# Altium PCB PCB.PcbDoc (continued)
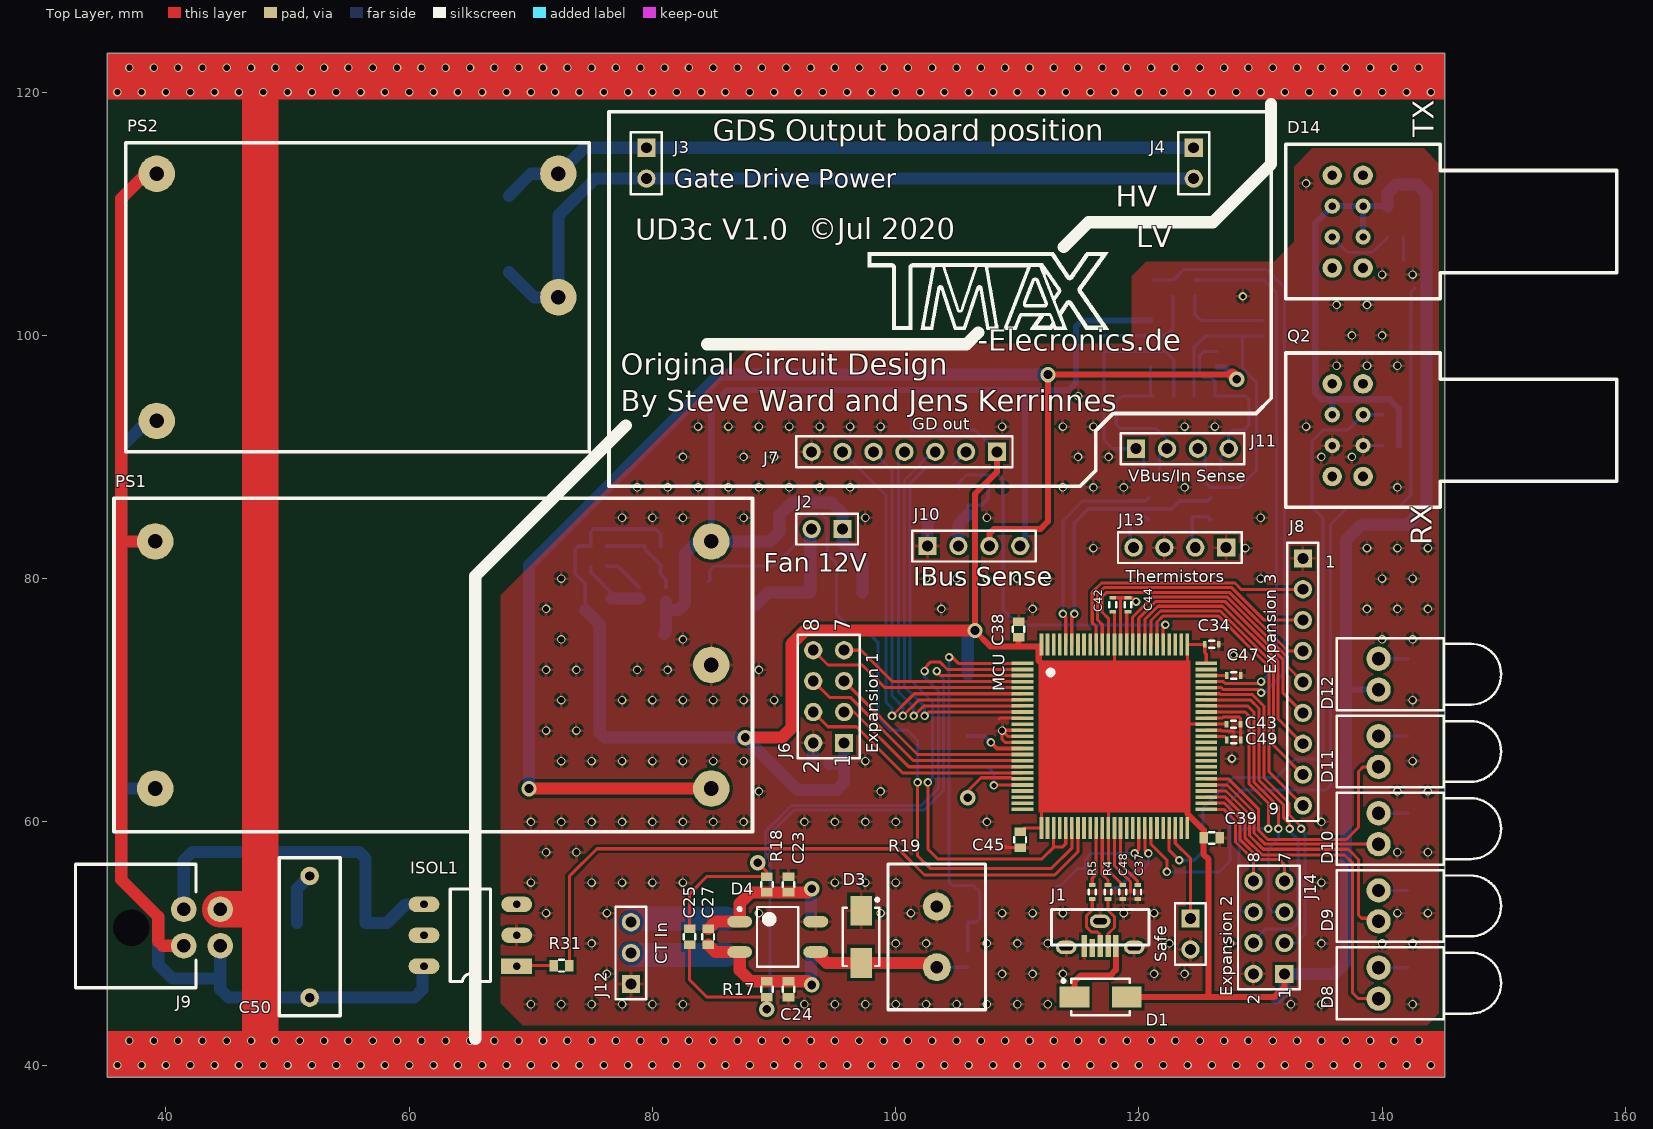
[diagram p0: Top Layer view]
## Footprints (in the part's own frame and the unit in brackets; to place one, negate y for a bottom-side part, rotate by r counter-clockwise, add the part's x,y. Pads: shape width x height; smd on the part's side, far side on the other; paste and mask are expansions set on the pad) (continued)
WM9734CT [mm] "USB 2.0 Type b micro straight mount"
  rect 0.45x1.8 smd: 1(-1.3,0.15) 2(-0.65,0.15) 3(0,0.15) 5(1.3,0.15)
  rect 0.45x1.5 smd: 4(0.65,0.3)
  oval 1.7x1.1 hole 0.5 slot 1.1 at 0 deg: 6(-2.8,0.25) 6(0,-1.9) 6(2.8,0.25)
  silkscreen extent -4,-2.85 4,0.05, body extent -4.01,-3.05 4.01,1.4, height 7.48
"Würth Film Cap 13x5" [mil]
  round 60 hole 30: 1(-196.85,0) 2(196.85,0)
  silkscreen extent -256,-98 256,98, body extent -256,-98 256,98, height 435

## Part data
C1: library part Cap, Supplier Part Number 1=1276-2044-1-ND, Supplier Part Number 10=1276-CL10B104KB8NNNLCT-ND, Supplier Part Number 11=399-1085-1-ND, Supplier Part Number 12=1276-1021-1-ND, Supplier Part Number 13=587-2985-1-ND, Supplier 1=Digi-Key, Supplier 2=Digi-Key, Supplier 3=Digi-Key, Supplier 4=Digi-Key, Supplier 5=Digi-Key, Supplier 6=Digi-Key, Supplier 7=Digi-Key, Supplier 8=Digi-Key, Supplier 9=Digi-Key, Supplier 10=Digi-Key, Supplier 11=Digi-Key, Supplier 12=Digi-Key, Supplier 13=Digi-Key, Supplier Part Number 2=1276-1018-1-ND, Supplier Part Number 3=1276-1182-1-ND, Supplier Part Number 4=1276-1009-1-ND, Supplier Part Number 5=1276-1098-1-ND, Supplier Part Number 6=1276-1119-1-ND, Supplier Part Number 7=490-12737-1-ND, Supplier Part Number 8=1276-1183-1-ND, Supplier Part Number 9=587-1249-1-ND
C2 C3 C4 C5 C6 C22 C34 C35 C36 C37 C38 C39 C40 C41 C42 C43 C44 C45 C46 C47 C48 C49 C50 C51 C52: library part Cap, Supplier Part Number 1=1276-2044-1-ND, Supplier Part Number 10=1276-CL10B104KB8NNNLCT-ND, Supplier Part Number 11=399-1085-1-ND, Supplier Part Number 12=1276-1021-1-ND, Supplier Part Number 13=587-2985-1-ND, Supplier Part Number 14=490-14603-1-ND, Supplier Part Number 15=311-3700-1-ND, Supplier Part Number 16=311-1042-1-ND, Supplier Part Number 17=311-1415-1-ND, Supplier Part Number 18=1276-1907-1-ND, Supplier Part Number 19=587-4321-1-ND, Supplier 1=Digi-Key, Supplier 2=Digi-Key, Supplier 3=Digi-Key, Supplier 4=Digi-Key, Supplier 5=Digi-Key, Supplier 6=Digi-Key, Supplier 7=Digi-Key, Supplier 8=Digi-Key, Supplier 9=Digi-Key, Supplier 10=Digi-Key, Supplier 11=Digi-Key, Supplier 12=Digi-Key, Supplier 13=Digi-Key, Supplier 14=Digi-Key, Supplier 15=Digi-Key, Supplier 16=Digi-Key, Supplier 17=Digi-Key, Supplier 18=Digi-Key, Supplier 19=Digi-Key, Supplier 20=Digi-Key, Supplier 21=Digi-Key, Supplier 22=Digi-Key, Supplier Part Number 2=1276-1018-1-ND, Supplier Part Number 3=1276-1182-1-ND, Supplier Part Number 4=1276-1009-1-ND, Supplier Part Number 5=1276-1098-1-ND, Supplier Part Number 6=1276-1119-1-ND, Supplier Part Number 7=490-12737-1-ND, Supplier Part Number 8=1276-1183-1-ND, Supplier Part Number 9=587-1249-1-ND, Supplier Part Number 20=1276-6767-1-ND, Supplier Part Number 21=1276-7060-1-ND, Supplier Part Number 22=311-1084-1-ND
C7: library part "Cap Polar", Supplier Part Number 1=478-9181-1-ND, Supplier 1=Digi-Key, Supplier 2=Digi-Key, Supplier 3=Digi-Key, Supplier 4=Digi-Key, Supplier 5=Digi-Key, Supplier 6=Digi-Key, Supplier Part Number 2=478-9173-1-ND, Supplier Part Number 3=493-11037-ND, Supplier Part Number 4=PCE3462CT-ND, Supplier Part Number 5=399-18864-1-ND, Supplier Part Number 6=399-10512-1-ND
C14 C15 C16 C17 C18 C20: "Capacitor, 10nF, MLCC, 50V, X7R, 10%, SMD"
C19 C21 C27: "Capacitor, 1nF, MLCC, 50V, X7R, 10%, SMD"
C23 C24 C25 C26: "Capacitor, 150pF, MLCC, 50V, COG, 5%, SMD"
C28 C29 C30 C31: "Capacitor, 1uF, MLCC, 16V, X7R, 10%, SMD"
C53: "Capacitor, 0.1uF, MLCC, 50V, X7R, 10%, SMD"
D1 D2: "Default Diode", Code_JEDEC=DO-214-AB, LatestRevisionDate=17-Jul-2002, LatestRevisionNote="Re-released for DXP Platform.", PackageDescription="DO-214-AB/SMC; 2 C-Bend Leads; Body 7.9 x 5.9 mm, inc. leads (LxW)", PackageReference=SMC, PackageVersion=Sep-1996, Published=8-Jun-2000, Publisher="Altium Limited"
D3: library part SMBJ170A
D4: "Full Wave Diode Bridge", DatasheetVersion=E2732B, LatestRevisionDate=29-May-2009, LatestRevisionNote="Sch pins A & K swapped.", PackageDescription="Bridge Rectifier; 4 Terminals; Body 9.4 x 9.4 mm (typ); Pitch 5.08 mm", PackageReference=D-38, Published=8-Jun-2000, Publisher="Altium Limited"
D8 D9 D10 D11 D12: library part LED, Supplier Part Number 1=732-4979-1-ND, Supplier 1=Digi-Key, Supplier 2=Digi-Key, Supplier 3=Digi-Key, Supplier 4=Digi-Key, Supplier Part Number 2=732-4971-1-ND, Supplier Part Number 3=732-4966-1-ND, Supplier Part Number 4=732-4981-1-ND
D14: "Fiber optic transmitter. ST connector", Supplier Part Number 1=516-2038-ND, Supplier 1=Digi-Key
IC1: library part TL082
ISOL1: Supplier Part Number 1=VO3023-ND, Supplier 1=Digi-Key
J2 J3 J4 Safe: library part "Header 2", "Header, 2-Pin", LatestRevisionDate=17-Jul-2002, LatestRevisionNote="Re-released for DXP Platform.", Publisher="Altium Limited"
J5: library part "Header 5", "Header, 5-Pin", LatestRevisionDate=17-Jul-2002, LatestRevisionNote="Re-released for DXP Platform.", Publisher="Altium Limited"
J6 J14: library part "Header 4X2", "Header, 4-Pin, Dual row", LatestRevisionDate=17-Jul-2002, LatestRevisionNote="Re-released for DXP Platform.", Publisher="Altium Limited"
J7: library part "Header 7", "Header, 7-Pin", LatestRevisionDate=17-Jul-2002, LatestRevisionNote="Re-released for DXP Platform.", Publisher="Altium Limited"
J8: library part "Header 9", "Header, 9-Pin", LatestRevisionDate=17-Jul-2002, LatestRevisionNote="Re-released for DXP Platform.", Publisher="Altium Limited"
J9: library part "Molex MicroFit 4 Pin", Supplier Part Number 1=WM1814-ND, Supplier 1=Digi-Key
J10 J11 J13: library part "Header 4", "Header, 4-Pin", LatestRevisionDate=17-Jul-2002, LatestRevisionNote="Re-released for DXP Platform.", Publisher="Altium Limited"
J12: library part "Header 3", "Header, 3-Pin", LatestRevisionDate=17-Jul-2002, LatestRevisionNote="Re-released for DXP Platform.", Publisher="Altium Limited"
L1: library part Inductor, Supplier Part Number 1=541-1250-1-ND, Supplier Part Number 10=SRP1770TA-5R6MCT-ND, Supplier Part Number 11=SRN6028-100MCT-ND, Supplier 1=Digi-Key, Supplier 2=Digi-Key, Supplier 3=Digi-Key, Supplier 4=Digi-Key, Supplier 5=Digi-Key, Supplier 6=Digi-Key, Supplier 7=Digi-Key, Supplier 8=Digi-Key, Supplier 9=Digi-Key, Supplier 10=Digi-Key, Supplier 11=Digi-Key, Supplier Part Number 2=541-1253-1-ND, Supplier Part Number 3=SRN6028-3R9MCT-ND, Supplier Part Number 4=SRN6028-4R7MCT-ND, Supplier Part Number 5=490-10563-1-ND, Supplier Part Number 6=1276-6932-1-ND, Supplier Part Number 7=587-2042-1-ND, Supplier Part Number 8=535-12790-1-ND, Supplier Part Number 9=SRP1265A-1R0MCT-ND
L3: library part "common mode choke"
PS1: library part "RAC20 Power supply", Supplier Part Number 1=945-3239-ND, Supplier 1=Digi-Key
PS2: library part "CFM12 power supply", Supplier Part Number 1=2034-3524-ND, Supplier 1=Digi-Key
Q1 Q3: Supplier Part Number 1=1727-5305-1-ND, Supplier 1=Digi-Key, Supplier 2=Digi-Key, Supplier 3=Digi-Key, Supplier 4=Digi-Key, Supplier 5=Digi-Key, Supplier Part Number 2=1727-1123-1-ND, Supplier Part Number 3=BSC0906NSATMA1CT-ND, Supplier Part Number 4=T2N7002AKLMCT-ND, Supplier Part Number 5=1727-4714-1-ND
Q2: library part HFBR-141X_receiver, "Fiber optic transmitter. ST connector", Supplier Part Number 1=516-2038-ND, Supplier 1=Digi-Key
R1 R2 R4 R5 R6 R7 R8 R23 R24 R25 R26 R27 R28 R29 R30 R31: library part Resistor, Supplier Part Number 1=RHM10DCT-ND, Supplier Part Number 10=311-200JRCT-ND, Supplier Part Number 11=311-300JRCT-ND, Supplier Part Number 12=YAG3356CT-ND, Supplier Part Number 13=311-220GRCT-ND, Supplier Part Number 14=311-220KGRCT-ND, Supplier Part Number 15=311-1.0KGRCT-ND, Supplier Part Number 16=311-200KHRCT-ND, Supplier Part Number 17=A102451-ND, Supplier Part Number 18=311-2.00KHRCT-ND, Supplier Part Number 19=311-10KGRCT-ND, Supplier 1=Digi-Key, Supplier 2=Digi-Key, Supplier 3=Digi-Key, Supplier 4=Digi-Key, Supplier 5=Digi-Key, Supplier 6=Digi-Key, Supplier 7=Digi-Key, Supplier 8=Digi-Key, Supplier 9=Digi-Key, Supplier 10=Digi-Key, Supplier 11=Digi-Key, Supplier 12=Digi-Key, Supplier 13=Digi-Key, Supplier 14=Digi-Key, Supplier 15=Digi-Key, Supplier 16=Digi-Key, Supplier 17=Digi-Key, Supplier 18=Digi-Key, Supplier 19=Digi-Key, Supplier Part Number 2=696-1834-1-ND, Supplier Part Number 3=RMCF0603JT3K90CT-ND, Supplier Part Number 4=RHM1.0KDCT-ND, Supplier Part Number 5=RHM100DCT-ND, Supplier Part Number 6=RMCF0603FT54K9CT-ND, Supplier Part Number 7=RMCF0603FT40K2CT-ND, Supplier Part Number 8=P200LCT-ND, Supplier Part Number 9=311-1.0KJRCT-ND
  R1 R2 R4 R5 R6 R7 R8 R28 R29 R30 R31: Supplier 20=Digi-Key, Supplier 21=Digi-Key, Supplier 22=Digi-Key, Supplier 23=Digi-Key, Supplier 24=Digi-Key, Supplier 25=Digi-Key, Supplier 26=Digi-Key, Supplier 27=Digi-Key, Supplier 28=Digi-Key, Supplier 29=Digi-Key, Supplier 30=Digi-Key, Supplier 31=Digi-Key, Supplier 32=Digi-Key, Supplier 33=Digi-Key, Supplier 34=Digi-Key, Supplier 35=Digi-Key, Supplier 36=Digi-Key, Supplier 37=Digi-Key, Supplier 38=Digi-Key, Supplier 39=Digi-Key, Supplier 40=Digi-Key, Supplier 41=Digi-Key, Supplier 42=Arrow, Supplier Part Number 20=311-1.00LRCT-ND, Supplier Part Number 21=311-220JRCT-ND, Supplier Part Number 22=311-2.2KJRCT-ND, Supplier Part Number 23=311-4.7KJRCT-ND, Supplier Part Number 24=311-10.0KLRCT-ND, Supplier Part Number 25=311-12KJRCT-ND, Supplier Part Number 26=YAG3226CT-ND, Supplier Part Number 27=311-75KJRCT-ND, Supplier Part Number 28=311-200KJRCT-ND, Supplier Part Number 29=311-499KLRCT-ND, Supplier Part Number 30=YAG6087CT-ND, Supplier Part Number 31=696-1677-1-ND, Supplier Part Number 32=541-3127-6-ND, Supplier Part Number 33=311-47.0HRCT-ND, Supplier Part Number 34=311-470HRCT-ND, Supplier Part Number 35=311-470KGRCT-ND, Supplier Part Number 36=311-100KGRCT-ND, Supplier Part Number 37=311-5.23KHRCT-ND, Supplier Part Number 38=311-52.3KHRCT-ND, Supplier Part Number 39=311-22KGRCT-ND, Supplier Part Number 40=311-15.8KHRCT-ND, Supplier Part Number 41=311-7.15KHRCT-ND, Supplier Part Number 42=RC0603FR-072K2L
R9 R10: library part Resistor, Package=0805, Resistance="2.5K 0.1%"
R11 R12 R13 R14: library part Resistor, Package=1206, Resistance="5K 0.1%"
R15 R16 R20: "Resistor, Thick Film, 1K, 1/8W, 150V, 1%, SMD"
R17 R18 R21 R22: library part CRCW08051K00FKEA, "Resistor, Thick Film, 1K, 1/8W, 150V, 1%, SMD"
R19: library part CMF60100R00JKEA, "Resistor, 100 Ohm, 1/2W, 500V, 5%"
Reg1: library part AP6320, Supplier Part Number 1=AP63203WU-7DICT-ND, Supplier 1=Digi-Key, Supplier 2=Digi-Key, Supplier 3=Digi-Key, Supplier Part Number 2=AP63200WU-7DICT-ND, Supplier Part Number 3=AP63201WU-7DICT-ND
X1: library part "Quarz crystal", Supplier Part Number 1=SER4069TR-ND, Supplier 1=Digi-Key

## Via types
v1: diameter 0.7, hole 0.5, Top Layer to Bottom Layer, 218 vias
v2: diameter 0.7, hole 0.5, Top Layer to Bottom Layer, tented both sides, 178 vias
v3: diameter 0.7, hole 0.4, Top Layer to Bottom Layer, tented both sides, 28 vias
v4: diameter 1.27, hole 0.711, Top Layer to Bottom Layer, tented both sides, 10 vias

## Nets (pads, with @x,y where several pads share a name; then routed paths per layer and width w, separated by ;. In a path a pad name is that pad's centre, name@x,y a point inside that pad or via, vN(x,y) a via of type N, cw(c..) or ccw(c..) an arc to the next point about the centre after c; other vN are vias at no path point)
+5V: C2.1 C4.1 C5.1 C6.1 C34.2 C38.1 C39.1 C40.1 C41.1 C42.1 C43.1 C45.1 C46.2 C48.2 C51.1 C52.2 C53.2 D1.2 D12.1 D14.A J5.1 J6.1 J7.1 J14.1 L1.2 MCU.26 MCU.37 MCU.50 MCU.65 MCU.75 MCU.76 MCU.88 MCU.100 Q2.2 R2.2 R30.2 | length 324.5
  Top Layer w0.25: MCU.50 123.983,60.675 ; 123.983,60.96 123.983,61.214 ; C39.1@125.301,58.641 C39.1
  Top Layer w0.254: C45.1 110.535,59.481 MCU.26 111.983,60.96 117.483,60.96 ; 111.933,73.081 111.933,72.979 112.381,72.531 117.983,72.531 ; C42.1@117.983,77.276 MCU.88 117.983,72.531 ; C48.2 117.483,55.997 MCU.37 117.483,60.96 ; 123.983,60.96 117.483,60.96 ; 123.983,61.214 123.983,68.031 ; MCU.65@125.301,68.031 127.041,68.031 ; MCU.65 123.983,68.031 ; MCU.75 125.533,73.787 125.409,73.911 C34.2 125.393,74.581 MCU.76 123.983,72.531 ; 117.983,72.531 123.983,72.531 ; 123.983,68.031 123.983,72.531
  Top Layer w0.5: v4@106.52,75.692 107.79,74.422 110.109,74.422 ; v4(106.52,75.731) 106.52,86.962 108.331,88.773 J7.1 ; C38.1 110.101,74.43 110.109,74.422 ; MCU.100@111.887,74.422 111.824,74.422 ; 111.933,73.081 111.76,73.254 111.76,74.358 111.824,74.422 ; D1.2 124.079,45.593 125.73,45.593 ; 123.983,60.96 123.983,60.675 125.334,59.324 C39.1 ; C39.1@125.301,58.641 125.301,57.348 125.73,56.919 125.73,54.864 125.73,45.593 ; J14.1 131.953,46.406 131.14,45.593 125.73,45.593 ; 110.109,74.422 111.824,74.422
  Top Layer w1: v4(87.63,66.929) 90.648,66.929 91.428,67.709 91.428,74.616 92.543,75.731 v4(106.52,75.731)
  Bottom Layer w0.254: C40.1 C41.1 106.52,92.235 J7.1
  Bottom Layer w0.3: L1.2@74.48,77.412 L1.2 74.48,79.571 73.66,80.391 73.66,82.423 73.914,82.677 R2.2 74.915,83.82 75.169,84.074 80.264,84.074 80.66,83.678 C2.1
  Bottom Layer w0.5: Q2.2 135.89,94.742 ; 137.033,70.866 D12.1 ; D14.A@138.43,108.077 D14.A@138.43,110.617 ; C52.2 D14.A@138.43,110.617 ; C51.1 R30.2 141.366,93.965 140.589,94.742 135.89,94.742 ; 135.89,94.742 135.001,94.742 134.493,95.25 134.493,109.22 135.89,110.617 D14.A@138.43,110.617
  Bottom Layer w1: L1.2@74.48,77.412 75.662,76.23 C6.1 C4.1 C5.1 75.662,67.34 76.073,66.929 v4(87.63,66.929) 91.948,62.611 95.161,62.611 95.758,63.208 95.758,64.77 ; C46.2 95.758,64.77 ; J6.1 95.758,64.77 ; J5.1 105.918,75.129 v4(106.52,75.731) ; C53.2 131.953,46.086 J14.1 136.068,47.498 137.033,48.463 137.033,70.866 137.033,83.185 138.291,84.443 142.101,84.443 143.637,85.979 143.637,111.633 142.875,112.395 141.13,112.395 140.447,111.712 C52.2
+12V: C1.2 D2.2 IC1.8 J2.1 J10.4 PS1.5 Reg1.2 Reg1.3 | length 97.5
  Bottom Layer w0.5: PS1.5 84.836,94.234 86.106,95.504 110.617,95.504 ; J10.4 110.617,83.058 110.617,95.504 ; IC1.8 115.316,101.219 114.808,100.711 114.808,96.106 114.206,95.504 110.617,95.504
  Bottom Layer w1: C1.2 81.109,75.612 Reg1.3 ; Reg1.2@81.109,78.09 Reg1.3 ; D2.2 97.273,81.322 95.631,82.964 J2.1 95.631,85.344 94.742,86.233 91.44,86.233 90.424,85.217 90.424,83.82 89.662,83.058 PS1.5 83.693,83.058 82.677,82.042 82.677,77.978 82.108,77.409 Reg1.3
+24V: C7.1 J3.1 J4.1 PS2.4 | length 57.9
  Bottom Layer w1: C7.1 70.002,113.284 PS2.4 74.403,115.424 J3.1 J4.1
-12V: IC1.4 J10.3 PS1.3 | length 118.5
  Top Layer w0.5: J10.3 107.696,83.693 108.077,84.074 111.887,84.074 112.522,84.709 v4(112.522,96.774) v4@127.668,96.774
  Top Layer w1: v4(69.85,62.738) PS1.3 ; v4@127.668,96.774 v4(128.049,96.393)
  Bottom Layer w0.5: IC1.4 127.033,97.409 v4(128.049,96.393)
  Bottom Layer w1: v4(69.85,62.738) 69.85,81.102 85.522,96.774 v4(112.522,96.774)
CTA: J12.3 L3.3 | length 7.9
  Bottom Layer w2: J12.3 78.532,52.046 L3.3
CTB: J12.2 L3.4 | length 7.9
  Bottom Layer w2: J12.2 78.392,49.046 L3.4
D_N: MCU.36 R4.1 | length 4.9
  Top Layer w0.25: MCU.36 116.983,55.689 117.46,55.212 R4.1
D_P: MCU.35 R5.1 | length 4.8
  Top Layer w0.25: R5.1 116.16,55.366 116.483,55.689 MCU.35
Default: MCU.48 Safe.1 | length 8
  Top Layer w0.254: MCU.48 122.983,58.246 124.233,56.996 Safe.1
GND: C1.1 C4.2 C5.2 C6.2 C16.1 C17.1 C19.1 C21.1 C22.1 C23.1 C24.1 C26.1 C28.1 C29.1 C30.1 C31.1 C34.1 C35.2 C36.2 C37.2 C38.2 C39.2 C40.2 C41.2 C42.2 C43.2 C44.2 C45.2 C46.1 C47.1 C48.1 C49.1 C51.2 C52.1 C53.1 D3.1 D4.4 ISOL1.2 J1.5 J1.6 J5.2 J6.2 J7.7 J8.1 J10.1 J12.1 J13.1 J13.3 J14.2 MCU.10 MCU.12 MCU.13 MCU.14 MCU.38 MCU.64 MCU.66 MCU.87 PS1.4 Q1.S Q2.3 Q3.2 R1.1 R7.2 R9.1 R10.2 R11.1 R12.1 R19.1 R23.2 R24.2 R25.2 R26.2 R27.2 R29.1 Reg1.4 Safe.2 | length 34.2
  Top Layer w0.25: MCU.66 126.849,68.531 126.949,68.631 128.219,68.631 128.362,68.488 C49.1
  Top Layer w0.254: 108.509,68.453 108.586,68.531 MCU.10 ; 109,58 109.118,57.882 C45.2 ; MCU.14 108.989,66.531 108.75,66.77 v2(108.75,67.5) ; MCU.13 109.219,67.031 v2(108.75,67.5) ; MCU.12 108.781,67.531 v2(108.75,67.5) ; C42.2@117.865,78.41 C42.2 118.483,78.426 ; MCU.38 117.983,56.388 119.304,55.067 119.304,54.28 ; MCU.87 118.483,78.426 ; v3(119.761,78.108) 119.443,78.426 C44.2 118.483,78.426 ; MCU.64 126.754,67.531 126.822,67.462 127.724,67.462 127.787,67.399
  Bottom Layer w0.254: Q2.3@138.43,90.932 C51.2
  Bottom Layer w1: C46.1 93.203,66.476 J6.2 ; J10.1 102.616,84.685 R7.2
  other v2: 70,45 72.5,45 75,45 77.5,45 80,45 82.5,45 92.5,45 95,45 97.5,45 100,45 102.5,45 105,45 107.5,45 110,45 112.5,45 132.5,45 135,45 142.5,45 76.25,47.5 108.75,47.5 111.25,47.5 113.75,47.5 121.25,47.5 123.75,47.5 75,50 100,50 102.5,50 107.5,50 110,50 112.5,50 122.5,50 127.5,50 135,50 140,50 142.5,50 71.25,52.5 76.25,52.5 88.75,52.5 98.75,52.5 101.25,52.5 108.75,52.5 111.25,52.5 113.75,52.5 118.75,52.5 121.25,52.5 141.25,52.5 143.75,52.5 70,55 75,55 77.5,55 80,55 82.5,55 95,55 97.5,55 100,55 135,55 71.25,57.5 73.75,57.5 141.25,57.5 143.75,57.5 70,60 72.5,60 75,60 77.5,60 80,60 82.5,60 85,60 87.5,60 92.5,60 95,60 97.5,60 100,60 107.5,60 135,60 88.75,62.5 98.75,62.5 141.25,62.5 143.75,62.5 72.5,65 75,65 77.5,65 80,65 82.5,65 85,65 87.5,65 97.5,65 142.5,65 71.25,67.5 73.75,67.5 72.5,70 77.5,70 80,70 82.5,70 85,70 87.5,70 90,70 142.5,70 71.25,72.5 73.75,72.5 78.75,72.5 81.25,72.5 88.75,72.5 72.5,75 82.5,75 140,75 142.5,75 71.25,77.5 103.75,77.5 111.25,77.5 138.75,77.5 141.25,77.5 143.75,77.5 72.5,80 102.5,80 105,80 107.5,80 110,80 112.5,80 130,80 140,80 142.5,80 116.25,82.5 128.75,82.5 138.75,82.5 141.25,82.5 143.75,82.5 77.5,85 80,85 82.5,85 87.5,85 97.5,85 107.5,85 130,85 78.75,87.5 81.25,87.5 83.75,87.5 86.25,87.5 88.75,87.5 91.25,87.5 93.75,87.5 96.25,87.5 113.75,87.5 116.25,87.5 118.75,87.5 123.75,87.5 141.25,87.5 82.5,90 87.5,90 90,90 115,90 117.5,90 135,90 137.5,90 83.75,92.5 86.25,92.5 88.75,92.5 91.25,92.5 93.75,92.5 96.25,92.5 98.75,92.5 108.75,92.5 113.75,92.5 116.25,92.5 123.75,92.5 126.25,92.5 133.75,92.5 115,95 136.25,97.5 138.75,97.5 141.25,97.5 137.5,100 140,100 136.25,102.5 138.75,102.5 140,105 142.5,105 133.75,112.5
  other v3: 127.635,65.202 127.787,73.711 128.549,103.2
HV_GND: C7.2 J3.2 J4.2 PS2.3 | length 65.1
  Bottom Layer w1: C7.2 70.256,103.124 PS2.3 72.263,109.855 75.292,112.884 J3.2 J4.2
L: C50.2 ISOL1.6 J9.1 PS1.2 PS2.2 | length 78.7
  Bottom Layer w1: PS1.2 36.83,62.738 36.322,62.738 ; PS2.2 38.481,92.964 36.322,90.805 36.322,62.738 ; J9.1 44.465,47.117 ; ISOL1.6 61.087,48.006 61.087,46.228 60.405,45.546 C50.2 45.156,45.546 44.465,46.237 44.465,47.117 ; 36.322,62.738 36.322,55.245 39.37,52.197 39.37,48.26 40.513,47.117 44.465,47.117
N: J9.2 PS1.1 PS2.1 | length 71.1
  Top Layer w1: 36.322,83.058 PS1.1 ; PS2.1 38.354,113.284 36.322,111.252 36.322,55.245 39.37,52.197 39.37,50.165 39.727,49.808 J9.2
NetC2_2: C2.2 R1.2 R2.1 Reg1.1 | length 7.2
  Bottom Layer w0.3: R2.1 C2.2 79.36,82.438 80.66,81.138 R1.2 80.66,80.348 81.109,79.899 Reg1.1
NetC3_1: C3.1 Reg1.6 | length 3.4
  Bottom Layer w0.3: C3.1 77.153,81.026 78.87,79.309 Reg1.6
NetC3_2: C3.2 L1.1 Reg1.5 | length 5.6
  Bottom Layer w0.3: C3.2 74.915,80.533 76.65,78.798 L1.1
  Bottom Layer w1: L1.1 Reg1.5
NetC14_1: C14.1 C20.1 IC1.2 J11.3 R11.2 R13.1 | length 29.5
  Bottom Layer w0.254: R11.2 124.515,98.988 125.461,99.934 C20.1 ; J11.3 125.461,90.058 C14.1 125.461,87.899 125.857,87.503 128.27,87.503 129.667,88.9 129.667,96.139 128.524,97.282 C20.1 ; R13.1 C20.1
NetC14_2: C14.2 C16.2 IC1.3 J11.4 R9.2 | length 16.3
  Bottom Layer w0.254: IC1.3 125.349,98.679 124.968,98.298 124.968,96.901 125.349,96.52 125.984,96.52 126.238,96.266 R9.2 C16.2 128.763,95.011 129.032,94.742 129.032,92.583 128.651,92.202 127.762,92.202 127.381,91.821 J11.4 126.761,90.058 C14.2
NetC15_1: C15.1 C18.1 IC1.6 J11.1 R12.2 R14.1 | length 21.5
  Bottom Layer w0.254: C15.1 120.381,90.058 J11.1 117.856,90.678 117.141,91.393 R14.1 C18.1 120.933,98.664 IC1.6 122.174,98.679 122.864,97.989 R12.2
NetC15_2: C15.2 C17.2 IC1.5 J11.2 R10.1 | length 15.3
  Bottom Layer w0.254: IC1.5 120.948,95.221 R10.1 C17.2 118.633,95.011 118.11,94.488 118.11,92.71 118.491,92.329 121.412,92.329 122.301,91.44 J11.2 121.681,90.058 C15.2
NetC18_2: C18.2 IC1.7 R14.2 R16.1 | length 8.6
  Bottom Layer w0.254: R14.2 C18.2 122.189,99.964 122.809,100.584 R16.1
NetC19_2: C19.2 MCU.71 R16.2 | length 50.7
  Top Layer w0.254: MCU.71 126.769,71.031 126.909,70.891 129.769,70.891 v3(130.048,70.612)
  Bottom Layer w0.254: C19.2 R16.2 123.683,105.41 130.523,105.41 131.953,103.98 131.953,72.263 130.302,70.612 v3(130.048,70.612)
NetC20_2: C20.2 IC1.1 R13.2 R15.1 | length 7.3
  Bottom Layer w0.254: R15.1 124.587,101.727 125.08,101.234 C20.2 R13.2
NetC21_2: C21.2 MCU.72 R15.2 | length 44.3
  Top Layer w0.254: MCU.72 126.934,71.531 127.091,71.374 129.891,71.374 v3(130.048,71.531)
  Bottom Layer w0.254: R15.2 C21.2 130.287,104.536 131.318,103.505 131.318,72.801 v3(130.048,71.531)
NetC22_2: C22.2 MCU.80 R8.2 | length 30.7
  Top Layer w0.254: MCU.80 121.983,76.009 v3(122.174,76.2)
  Bottom Layer w0.254: C22.2 105.215,87.915 105.819,88.519 108.449,88.519 108.839,88.129 108.839,77.462 110.101,76.2 v3(122.174,76.2)
NetC23_2: C23.2 C27.1 D4.1 L3.2 R18.1 | length 13.2
  Top Layer w1: C27.1 85.182,51.796 D4.1 87.172,53.292 88.079,54.199 R18.1 C23.2 92.78,54.199 v4(93.085,54.504)
  Bottom Layer w0.254: v4@93.035,54.454 v4(93.085,54.504)
  Bottom Layer w1: L3.2 v4@93.035,54.454
NetC24_2: C24.2 C27.2 D4.2 L3.1 R17.1 | length 13.2
  Top Layer w1: C27.2 85.182,49.296 D4.2 87.172,47.8 88.079,46.893 R17.1 C24.2 92.78,46.893 v4(93.085,46.588)
  Bottom Layer w1: L3.1 93.035,46.638 v4(93.085,46.588)
NetC25_1: C25.1 MCU.2 R18.2 | length 48.9
  Top Layer w0.254: C25.1 83.058,54.09 84.467,55.499 R18.2 89.408,55.892 v4(88.658,56.642) ; v3(102.378,72.39) 102.378,72.644 102.886,73.152 103.632,73.152 104.253,72.531 MCU.2
  Bottom Layer w0.254: v4(88.658,56.642) 89.027,56.642 89.281,56.896 89.281,59.194 91.428,61.341 102.108,61.341 103.505,62.738 103.505,70.769 102.378,71.896 v3(102.378,72.39)
NetC25_2: C25.2 MCU.3 R17.2 | length 58.4
  Top Layer w0.254: C25.2 83.058,47.002 84.467,45.593 R17.2 v4(89.408,44.577) ; v3(103.378,72.39) 103.378,72.306 103.653,72.031 MCU.3
  Bottom Layer w0.254: v4(89.408,44.577) 89.662,44.831 89.662,59.007 91.615,60.96 102.307,60.96 103.924,62.577 103.924,71.76 103.378,72.306 v3(103.378,72.39)
NetC26_2: C26.2 MCU.1 R20.2 | length 33.3
  Top Layer w0.254: v3(104.394,73.533) 104.648,73.533 105.15,73.031 MCU.1
  Bottom Layer w0.254: v3(104.394,73.533) 104.394,55.024 104.664,54.754 106.379,54.754 106.934,54.199 106.934,52.05 106.63,51.746 C26.2
  Bottom Layer w0.3: R20.2 C26.2
NetC28_2: C28.2 J13.4 R21.1 | length 4.2
  Bottom Layer w0.3: J13.4 119.295,82.804 R21.1 120.55,85.075 C28.2
NetC29_2: C29.2 MCU.96 R21.2 | length 18.1
  Top Layer w0.254: v3(113.751,77.089) 113.983,76.857 MCU.96
  Bottom Layer w0.254: v3(113.751,77.089) 113.751,84.767 115.359,86.375 R21.2
  Bottom Layer w0.3: R21.2 120.55,86.375 C29.2
NetC30_2: C30.2 J13.2 R22.1 | length 4.2
  Bottom Layer w0.3: J13.2 124.375,82.804 R22.1 125.645,85.075 C30.2
NetC31_2: C31.2 MCU.95 R22.2 | length 22.1
  Top Layer w0.3: MCU.95 114.483,76.91 v3@114.69,77.117
  Bottom Layer w0.3: v3(114.69,77.089) 114.69,84.579 115.836,85.725 122.69,85.725 123.34,86.375 R22.2 125.645,86.375 C31.2
NetC35_1: C35.1 MCU.43 X1.4 | length 6.9
  Top Layer w0.254: MCU.43 120.483,57.678 v3@120.777,57.384
  Bottom Layer w0.254: X1.4 118.326,54.572 119.776,56.022 C35.1 120.777,56.53 v3(120.777,57.404)
NetC36_1: C36.1 MCU.42 X1.2 | length 10.1
  Top Layer w0.254: v3(119.634,57.404) 119.983,57.753 MCU.42
  Bottom Layer w0.254: C36.1 113.543,54.722 114.993,56.172 X1.2 115.613,56.944 116.073,57.404 v3(119.634,57.404)
NetC37_1: C37.1 MCU.39 | length 5.3
  Top Layer w0.254: MCU.39 118.483,56.523 119.888,55.118 C37.1
NetC44_1: C44.1 MCU.86 | length 2.7
  Top Layer w0.254: MCU.86 118.999,74.597 C44.1@118.999,77.276
NetC47_2: C47.2 MCU.73 | length 1.7
  Top Layer w0.25: MCU.73 C47.2
NetC49_2: C49.2 MCU.63 | length 2
  Top Layer w0.25: MCU.63@125.301,67.031 127.031,67.031 C49.2@127.209,66.853
NetC50_1: C50.1 R6.2 | length 3.6
  Bottom Layer w1: R6.2 50.769,54.499 C50.1@51.308,55.038
NetD1_1: D1.1 J1.1 | length 7
  Top Layer w0.5: D1.1 114.69,46.844 115.189,47.343 117.628,47.343 118.11,47.825 J1.1
NetD2_1: D2.1 J2.2 Q1.D | length 10.5
  Bottom Layer w1: Q1.D 89.523,78.867 D2.1 92.973,84.074 J2.2 J2.2@93.345,84.074
NetD3_2: D3.2 D4.3 R19.2 R20.1 | length 13
  Top Layer w1: D4.3 94.322,48.396 D3.2 103.028,48.396 R19.2
  Bottom Layer w0.3: R19.2 R20.1
NetD8_1: D8.1 MCU.53 | length 28.3
  Top Layer w0.254: MCU.53 127.098,62.031 128.702,60.427 128.702,58.699 130.124,57.277 136.906,57.277 137.541,56.642 137.541,45.974 138.049,45.466 D8.1
NetD8_2: D8.2 R23.1 | length 2.4
  Bottom Layer w0.254: D8.2 R23.1
NetD9_1: D9.1 MCU.54 | length 22.3
  Top Layer w0.254: MCU.54 127.157,62.531 129.083,60.604 129.083,58.877 130.213,57.747 137.198,57.747 138.049,56.896 138.049,52.324 138.303,52.07 139.446,52.07 D9.1
NetD9_2: D9.2 R24.1 | length 2.4
  Bottom Layer w0.254: D9.2 R24.1
NetD10_1: D10.1 MCU.55 | length 17.2
  Top Layer w0.254: MCU.55 127.241,63.031 129.464,60.808 129.464,59.08 130.378,58.166 D10.1
NetD10_2: D10.2 R25.1 | length 2.4
  Bottom Layer w0.254: D10.2 R25.1
NetD11_1: D11.1 MCU.56 | length 22.4
  Top Layer w0.254: MCU.56 127.35,63.531 129.845,61.036 129.845,59.284 130.581,58.547 137.033,58.547 138.049,59.563 138.049,64.135 138.43,64.516 D11.1
NetD11_2: D11.2 R26.1 | length 2.4
  Bottom Layer w0.254: D11.2 R26.1
NetD12_2: D12.2 R27.1 | length 2.4
  Bottom Layer w0.254: D12.2 R27.1
NetD14_C: D14.C R28.2 | length 5.6
  Bottom Layer w0.254: D14.C 137.16,106.807 139.177,106.807 R28.2
NetJ1_2: J1.2 R4.2 | length 4.3
  Top Layer w0.254: J1.2 117.46,50.785 117.983,51.308 117.983,52.197 117.46,52.72 R4.2
NetJ1_3: J1.3 R5.2 | length 4.8
  Top Layer w0.254: R5.2 116.16,52.755 115.697,52.292 115.697,51.323 116.093,50.927 116.586,50.927 116.81,50.703 J1.3
NetJ5_3: J5.3 MCU.15 | length 4.9
  Top Layer w0.3: v3(107.823,66.531) 108.323,66.031 MCU.15
  Bottom Layer w0.3: J5.3 107.298,67.056 v3(107.823,66.531)
NetJ5_4: J5.4 MCU.21 | length 5.8
  Top Layer w0.254: v3(108.077,62.992) 108.116,63.031 MCU.21
  Bottom Layer w0.254: J5.4 107.569,64.516 108.077,64.008 v3(108.077,62.992)
NetJ5_5: J5.5 MCU.20 | length 5.6
  Top Layer w0.254: v4(105.918,61.976) 105.918,62.534 107.011,63.627 109.457,63.627 109.554,63.531 MCU.20
NetJ6_3: J6.3 MCU.18 | length 16.5
  Top Layer w0.254: J6.3 96.577,69.031 101.077,64.531 MCU.18
NetJ6_4: J6.4 MCU.19 | length 19.3
  Top Layer w0.254: J6.4 94.431,67.818 96.774,67.818 100.561,64.031 MCU.19
NetJ6_5: J6.5 MCU.16 | length 17.2
  Top Layer w0.254: J6.5 101.798,65.531 MCU.16
NetJ6_6: J6.6 MCU.17 | length 19.9
  Top Layer w0.254: J6.6 94.558,70.231 96.266,70.231 101.466,65.031 MCU.17
NetJ6_7: J6.7 MCU.4 | length 15.7
  Top Layer w0.254: J6.7 97.151,74.111 99.731,71.531 MCU.4
NetJ6_8: J6.8 MCU.5 | length 18.5
  Top Layer w0.254: J6.8 94.431,72.898 97.249,72.898 99.116,71.031 MCU.5
NetJ7_2: J7.2 MCU.28 MCU.30 | length 51.7
  Top Layer w0.254: v3(102.649,63.246) 102.649,57.752 103.457,56.944 112.005,56.944 112.983,57.922 ; MCU.28 112.983,57.922 ; MCU.30 113.983,58.2 113.705,57.922 112.983,57.922
  Bottom Layer w0.254: v3(102.649,63.246) 103.03,63.627 103.03,69.855 101.186,71.699 101.186,87.836 102.504,89.154 104.521,89.154 J7.2
NetJ7_3: J7.3 MCU.9 | length 31.8
  Top Layer w0.254: v3(102.378,68.707) 102.702,69.031 MCU.9
  Bottom Layer w0.254: v3(102.378,68.707) 102.378,69.453 100.716,71.115 100.716,88.11 103.03,90.424 J7.3
NetJ7_4: J7.4 MCU.8 | length 31.4
  Top Layer w0.254: v3(101.484,68.707) 102.307,69.531 MCU.8
  Bottom Layer w0.254: J7.4@100.716,90.149 100.236,89.668 100.236,70.673 101.484,69.425 v3(101.484,68.707)
NetJ7_5: J7.5 MCU.7 | length 33.1
  Top Layer w0.254: v3(100.589,68.707) 101.913,70.031 MCU.7
  Bottom Layer w0.254: J7.5 99.695,88.9 99.695,70.358 100.589,69.464 v3(100.589,68.707)
NetJ7_6: J7.6 MCU.6 | length 34.9
  Top Layer w0.254: v3(99.695,68.707) 101.519,70.531 MCU.6
  Bottom Layer w0.254: J7.6 99.187,86.868 99.187,69.85 99.695,69.342 v3(99.695,68.707)
NetJ8_2: J8.2 MCU.91 | length 22.3
  Top Layer w0.25: MCU.91 116.483,76.057 116.16,76.38 116.16,78.867 116.922,79.629 127.889,79.629 128.397,79.121 J8.2
NetJ8_3: J8.3 MCU.90 | length 22.5
  Top Layer w0.25: MCU.90 116.983,76.208 116.586,76.605 116.586,78.716 117.118,79.248 127.635,79.248 130.302,76.581 J8.3
NetJ8_4: J8.4 MCU.89 | length 22.8
  Top Layer w0.25: MCU.89 117.483,76.732 116.967,77.248 116.967,78.486 117.348,78.867 127.433,78.867 132.259,74.041 J8.4
NetJ8_5: J8.5 MCU.85 | length 20.3
  Top Layer w0.25: MCU.85 119.483,76.837 121.129,78.482 127.258,78.482 132.207,73.533 132.207,72.771 J8.5
NetJ8_6: J8.6 MCU.84 | length 21.6
  Top Layer w0.25: MCU.84 119.983,76.732 121.356,78.105 127.094,78.105 131.826,73.373 131.826,70.612 J8.6
NetJ8_7: J8.7 MCU.83 | length 22.9
  Top Layer w0.25: MCU.83 120.483,76.643 121.564,77.724 126.873,77.724 131.445,73.152 131.445,68.453 J8.7
NetJ8_8: J8.8 MCU.82 | length 24.3
  Top Layer w0.25: MCU.82 120.983,76.559 121.768,77.343 126.679,77.343 131.064,72.958 131.064,66.294 J8.8
NetJ8_9: J8.9 MCU.81 | length 25.6
  Top Layer w0.25: MCU.81 121.483,76.424 122.002,76.942 126.512,76.942 130.683,72.771 130.683,64.135 J8.9
NetJ9_4: ISOL1.4 J9.4 R6.1 | length 30.2
  Bottom Layer w1: J9.4 41.465,56.832 42.164,57.531 55.88,57.531 56.419,56.992 R6.1 58.166,51.689 59.69,53.213 ISOL1.4
NetJ10_2: J10.2 R7.1 R8.1 | length 6.5
  Bottom Layer w0.3: R7.1 105.929,86.028 107.056,86.028 107.591,86.563 R8.1
  Bottom Layer w1: J10.2 105.156,84.475 R7.1
NetJ14_3: J14.3 MCU.70 | length 27.3
  Top Layer w0.25: MCU.70 126.633,70.531 126.679,70.485 129.286,70.485 130.277,69.494 130.277,63.602 132.334,61.544 132.334,60.604 133.325,59.614 v3(133.325,59.436)
  Bottom Layer w0.25: J14.3 132.944,50.038 133.655,50.749 133.655,59.106 v3(133.325,59.436)
NetJ14_4: J14.4 MCU.69 | length 28
  Top Layer w0.25: MCU.69 129.156,70.031 129.87,69.317 129.87,63.424 131.902,61.392 131.902,60.325 132.385,59.842 v3(132.385,59.436)
  Bottom Layer w0.25: J14.4 129.413,50.19 130.429,51.206 132.588,51.206 133.096,51.714 133.096,58.522 132.385,59.233 v3(132.385,59.436)
NetJ14_5: J14.5 MCU.68 | length 22.8
  Top Layer w0.25: MCU.68 128.945,69.531 129.464,69.012 129.464,63.246 131.47,61.239 v3(131.47,59.436)
  Bottom Layer w0.25: v3(131.47,59.436) 131.47,58.598 130.658,57.785 130.658,52.934 130.988,52.603 131.928,52.603 J14.5
NetJ14_6: J14.6 MCU.67 | length 23.7
  Top Layer w0.25: MCU.67 128.734,69.031 129.032,68.732 129.032,63.144 130.632,61.544 v3(130.632,59.436)
  Bottom Layer w0.25: J14.6 128.549,52.578 128.219,52.908 128.219,59.106 128.549,59.436 v3(130.632,59.436)
NetJ14_7: J14.7 MCU.52 | length 10.9
  Top Layer w0.25: MCU.52 127.039,61.531 128.321,60.249 128.321,58.522 129.946,56.896 131.552,56.896 131.953,56.495 J14.7
NetJ14_8: J14.8 MCU.51 | length 8.4
  Top Layer w0.25: MCU.51 126.98,61.031 127.94,60.071 127.94,58.344 129.413,56.871 J14.8
NetMCU_27: MCU.27
NetMCU_29: MCU.29
NetMCU_31: MCU.31 Q1.G | length 61.4
  Top Layer w0.254: v3(101.798,63.246) 101.798,57.207 102.833,56.172 112.814,56.172 114.483,57.841 MCU.31
  Bottom Layer w0.254: Q1.G 84.709,79.883 84.709,80.67 85.09,81.051 90.035,81.051 91.821,82.837 91.821,84.836 92.202,85.217 93.98,85.217 94.361,84.836 94.361,82.054 95.123,81.292 95.123,77.081 96.639,75.565 97.718,75.565 98.552,74.731 98.552,68.531 99.552,67.531 100.965,67.531 101.798,66.698 v3(101.798,63.246)
NetMCU_32: MCU.32 R31.2 | length 53.7
  Top Layer w0.254: R31.2 73.167,55.514 75.438,57.785 100.203,57.785 102.362,55.626 113.068,55.626 114.983,57.541 MCU.32
NetMCU_33: MCU.33
NetMCU_44: MCU.44 Q3.1 R29.2 | length 69.6
  Top Layer w0.254: MCU.44 120.983,58.158 122.301,56.84 v3(122.301,55.88)
  Bottom Layer w0.254: v3(122.301,55.88) 126.585,55.88 127.483,56.778 127.483,61.664 128.43,62.611 135.382,62.611 135.763,62.992 135.763,84.443 137.172,85.852 141.351,85.852 142.347,86.848 142.347,101.819 R29.2 142.382,103.579 Q3.1
NetMCU_45: MCU.45
NetMCU_46: MCU.46
NetMCU_47: MCU.47 Q2.6 R30.1 | length 53.4
  Top Layer w0.254: MCU.47 122.483,57.674 v3(123.317,56.84)
  Bottom Layer w0.254: v3(123.317,56.84) 124.557,56.84 125.247,57.531 125.247,61.121 127.778,63.652 131.333,63.652 132.831,65.151 134.722,65.151 135.128,65.557 135.128,84.963 134.239,85.852 134.239,91.313 135.128,92.202 137.16,92.202 Q2.6 R30.1
NetQ3_D: Q3.3 R28.1 | length 1.9
  Bottom Layer w0.254: Q3.3 141.747,106.194 R28.1
NetR31_1: ISOL1.1 R31.1 | length 3
  Top Layer w0.254: ISOL1.1 68.872,48.171 R31.1
PE: J9.3 | length 83.3
  Top Layer w3: J9.3 47.752,52.808 ; 47.6,40.843 47.752,40.996 47.752,52.808 ; 47.752,120.828 47.752,52.808
  other v1: 36,40 38,40 40,40 42,40 44,40 46,40 48,40 50,40 52,40 54,40 56,40 58,40 60,40 62,40 64,40 66,40 68,40 70,40 72,40 74,40 76,40 78,40 80,40 82,40 84,40 86,40 88,40 90,40 92,40 94,40 96,40 98,40 100,40 102,40 104,40 106,40 108,40 110,40 112,40 114,40 116,40 118,40 120,40 122,40 124,40 126,40 128,40 130,40 132,40 134,40 136,40 138,40 140,40 142,40 144,40 37,42 39,42 41,42 43,42 45,42 47,42 49,42 51,42 53,42 55,42 57,42 59,42 61,42 63,42 65,42 67,42 69,42 71,42 73,42 75,42 77,42 79,42 81,42 83,42 85,42 87,42 89,42 91,42 93,42 95,42 97,42 99,42 101,42 103,42 105,42 107,42 109,42 111,42 113,42 115,42 117,42 119,42 121,42 123,42 125,42 127,42 129,42 131,42 133,42 135,42 137,42 139,42 141,42 143,42 36,120 38,120 40,120 42,120 44,120 46,120 48,120 50,120 52,120 54,120 56,120 58,120 60,120 62,120 64,120 66,120 68,120 70,120 72,120 74,120 76,120 78,120 80,120 82,120 84,120 86,120 88,120 90,120 92,120 94,120 96,120 98,120 100,120 102,120 104,120 106,120 108,120 110,120 112,120 114,120 116,120 118,120 120,120 122,120 124,120 126,120 128,120 130,120 132,120 134,120 136,120 138,120 140,120 142,120 144,120 37,122 39,122 41,122 43,122 45,122 47,122 49,122 51,122 53,122 55,122 57,122 59,122 61,122 63,122 65,122 67,122 69,122 71,122 73,122 75,122 77,122 79,122 81,122 83,122 85,122 87,122 89,122 91,122 93,122 95,122 97,122 99,122 101,122 103,122 105,122 107,122 109,122 111,122 113,122 115,122 117,122 119,122 121,122 123,122 125,122 127,122 129,122 131,122 133,122 135,122 137,122 139,122 141,122 143,122
pads on no net: D14. ISOL1.3 ISOL1.5 J1.4 J9.13 MCU.11 MCU.22 MCU.23 MCU.24 MCU.25 MCU.34 MCU.40 MCU.41 MCU.49 MCU.57 MCU.58 MCU.59 MCU.60 MCU.61 MCU.62 MCU.74 MCU.77 MCU.78 MCU.79 MCU.92 MCU.93 MCU.94 MCU.97 MCU.98 MCU.99 Q2. X1.1 X1.3

## Polygon pours and split planes (outlines as drawn)
GND on Top Layer (solid, remove dead copper, pour order 6): 134.264,115.367 132.766,113.868 132.766,107.683 131.14,106.058 120.612,106.058 119.405,104.851 119.405,100 118.618,99.314 88.24,99.314 67.539,78.613 67.539,45.085 69.342,43.282 143.688,43.282 144.653,44.247 144.653,114.122 143.408,115.367
GND on Bottom Layer (solid, remove dead copper, pour order 4): 134.264,115.367 132.766,113.868 132.766,107.683 131.14,106.058 120.612,106.058 119.405,104.851 119.405,100 118.618,99.314 88.24,99.314 67.539,78.613 67.539,45.085 69.342,43.282 143.688,43.282 144.653,44.247 144.653,114.122 143.408,115.367

## Other copper
Top Layer:
  rectangle net +5V: 111.733,60.781 124.233,73.281
  rectangle net PE: 35.212,38.989 145.161,42.798
  rectangle net PE: 35.212,119.38 145.161,123.189
Bottom Layer:
  rectangle net PE: 35.212,119.38 145.161,123.189
  rectangle net PE: 35.212,38.989 145.161,42.798

## Silkscreen, mask and mechanical layers (free items; w line width, h text height)
Top Overlay:
  drawing of 21 lines, arcs and shapes, not listed
  text "TX" at 144.831,116.307 h3 r90
  text "GDS Output board position" at 84.938,115.443 h3
  text "HV" at 118.11,110.007 h3
  text "©Jul 2020" at 92.814,107.335 h3
  text "UD3c V1.0" at 78.59,107.29 h3
  text "LV" at 119.786,106.66 h3
  text "-Elecronics.de" at 106.764,98.171 h3
  text "Original Circuit Design / By Steve Ward and Jens Kerrinnes" at 77.394,93.167 h3
  text "RX" at 144.653,82.736 h3 r90
  text "1" at 135.306,80.907 h1
  text "9" at 130.658,60.587 h1
Bottom Overlay:
  lines w0.3: 109.55,93.167 110.261,92.456 118.127,92.456 118.778,93.107 ; 118.466,96.088 126.662,96.088 127.139,95.611
Top Solder:
  rectangle: 35.161,119.38 145.11,123.189
  rectangle: 35.161,38.989 145.11,42.798
Bottom Solder:
  rectangle: 35.161,38.989 145.11,42.798
  rectangle: 35.161,119.38 145.11,123.189
Mechanical 8:
  the board outline again, w0.3

## Text inside footprints (layer, text, board x,y; h text height)
J6: Top Overlay "8" at 93.726,75.635 h1.27 r90; Top Overlay "7" at 96.266,75.635 h1.27 r90; Top Overlay "1" at 96.266,64.459 h1.27 r90; Top Overlay "2" at 93.726,63.951 h1.27 r90
J14: Top Overlay "2" at 129.921,44.958 h1 r90; Top Overlay "1" at 132.461,45.466 h1 r90; Top Overlay "7" at 132.461,56.642 h1 r90; Top Overlay "8" at 129.921,56.642 h1 r90